# Altium PCB PPG_board.PcbDoc
Units mm, origin at the board's own origin, x right, y up, seen from the top; angles counter-clockwise.
Board outline 90.8 x 56 mm, 2 copper layers (Top Layer, Bottom Layer); 78 components, 61 nets, 318 pads, 210 vias.
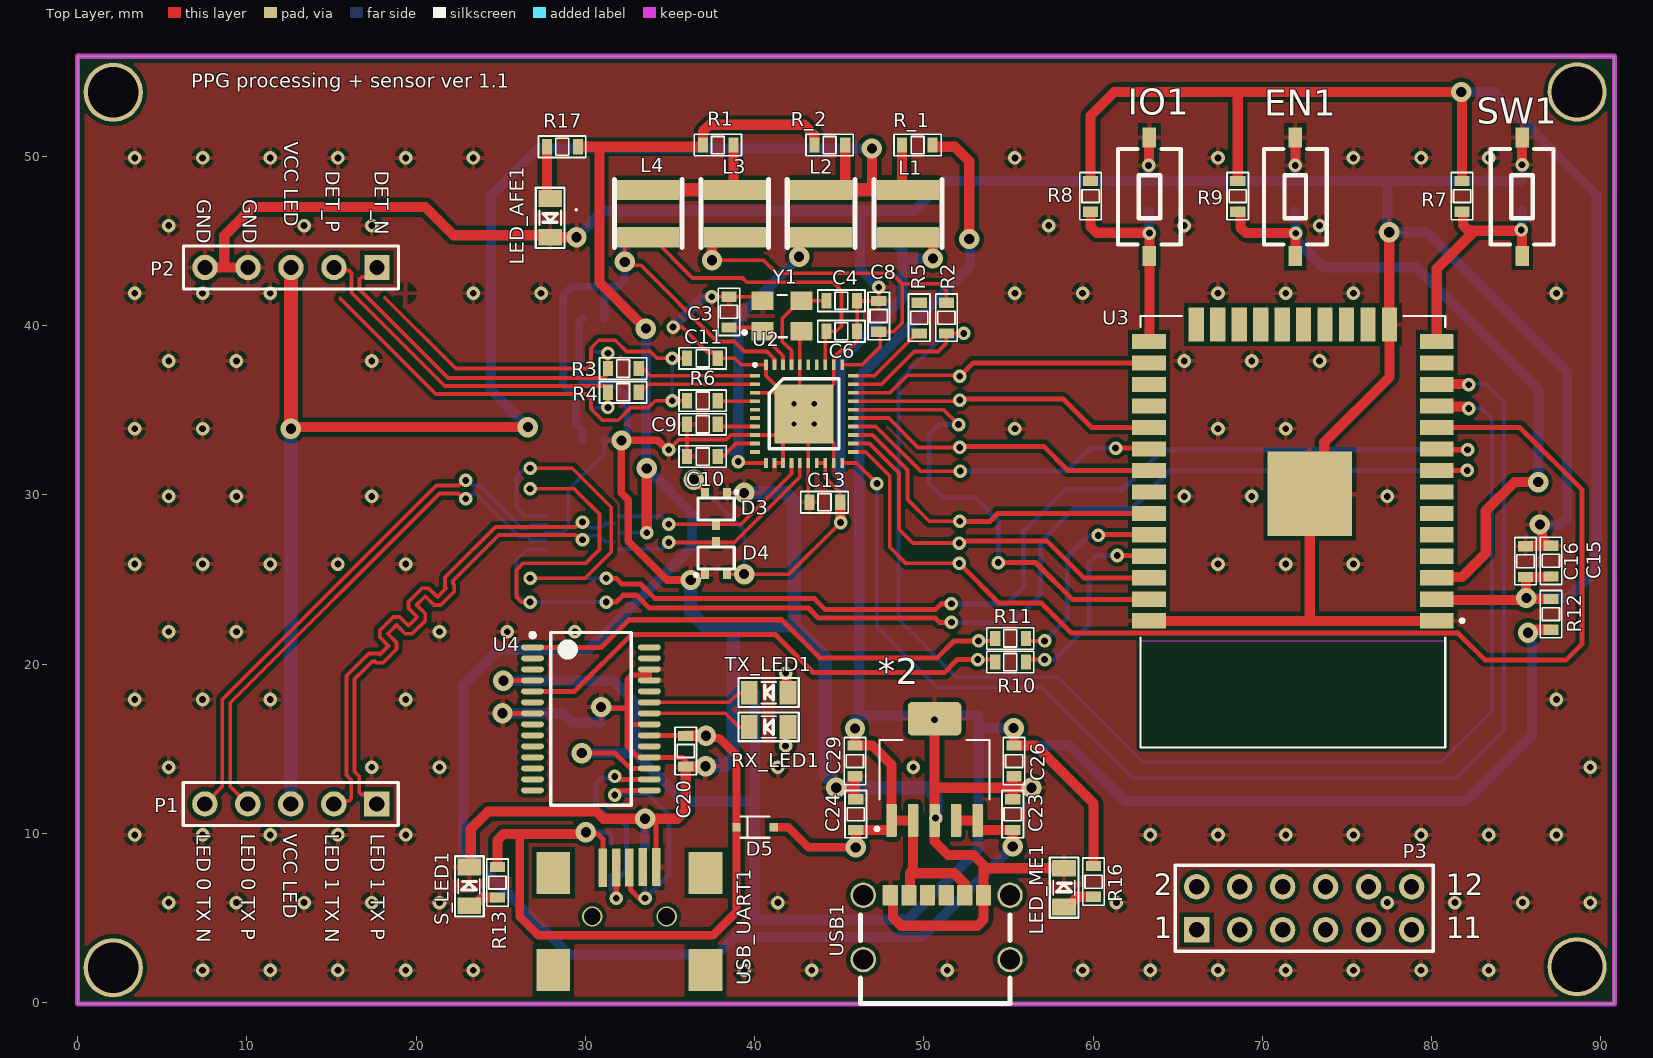
[diagram p0: Top Layer view]
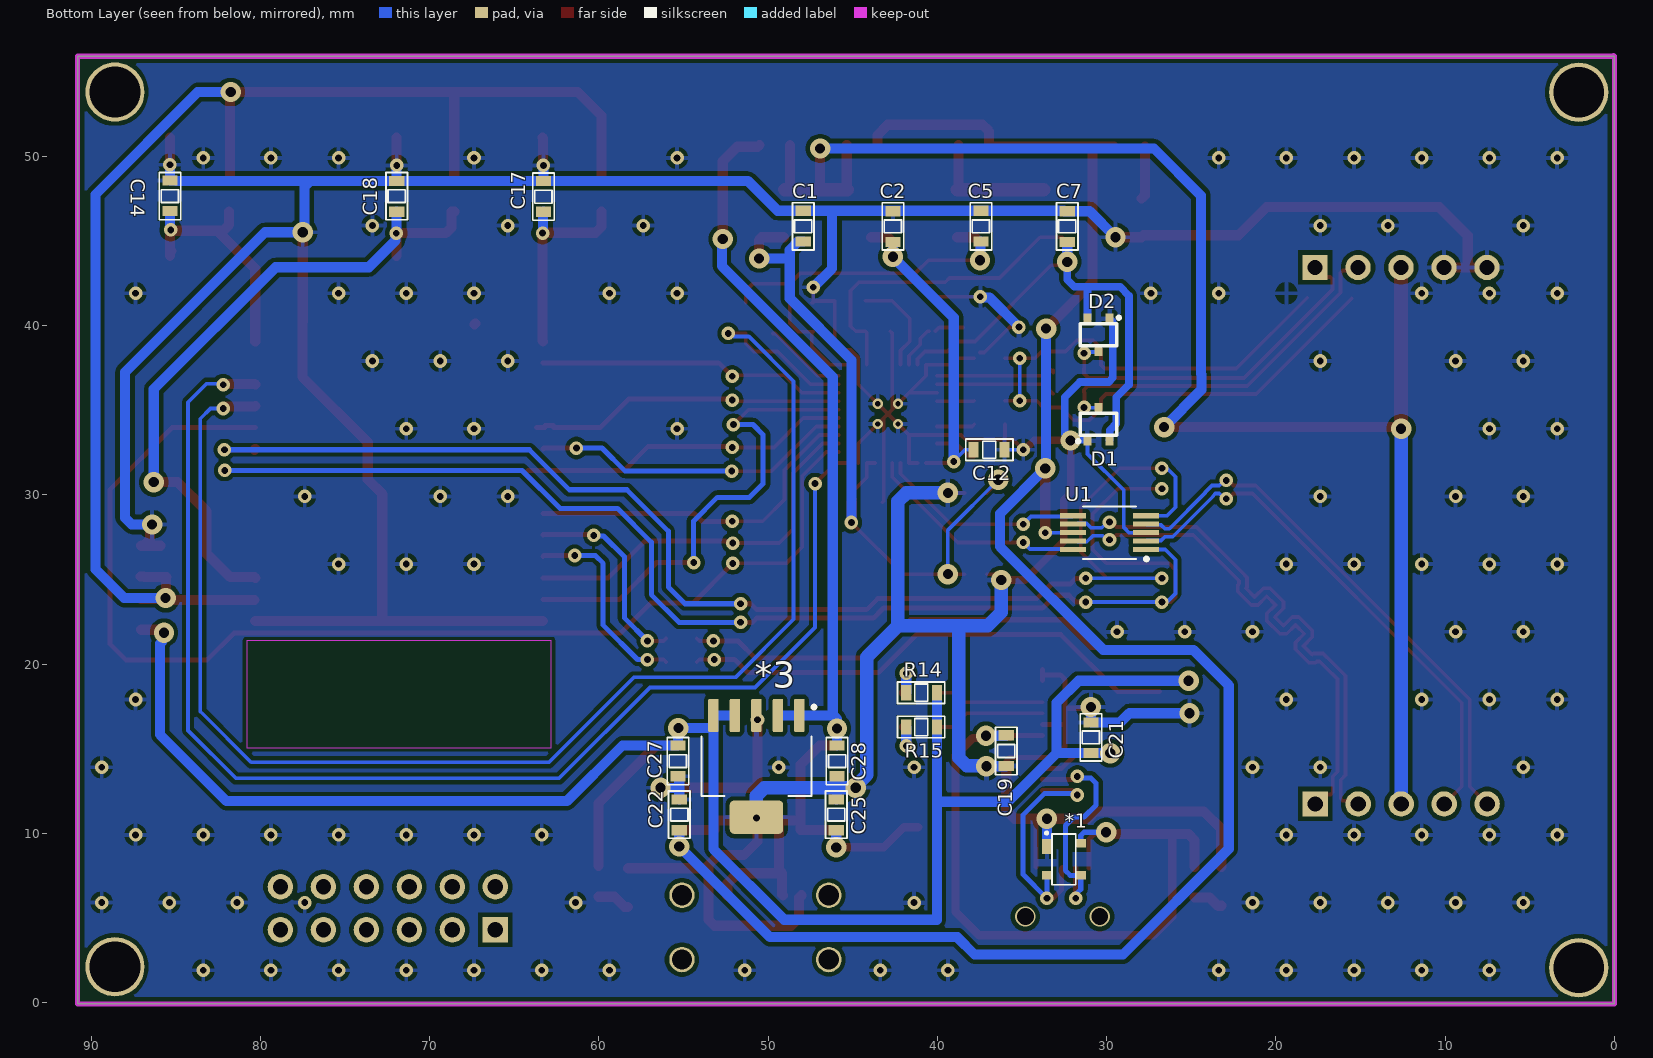
[diagram p1: Bottom Layer view, seen from below]
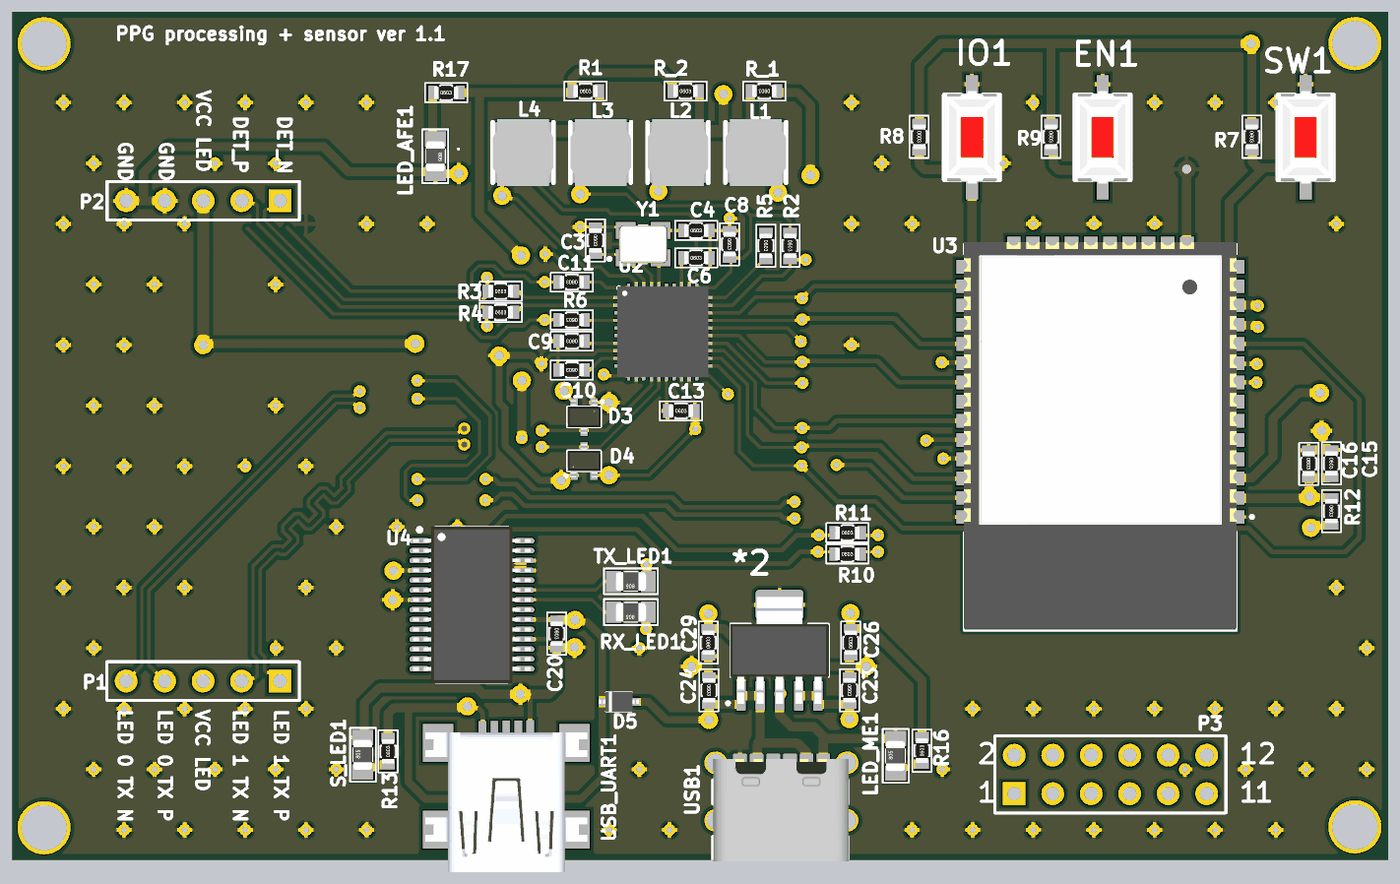
[diagram p2: 3D render of the assembled board from above, using the file's embedded part models]
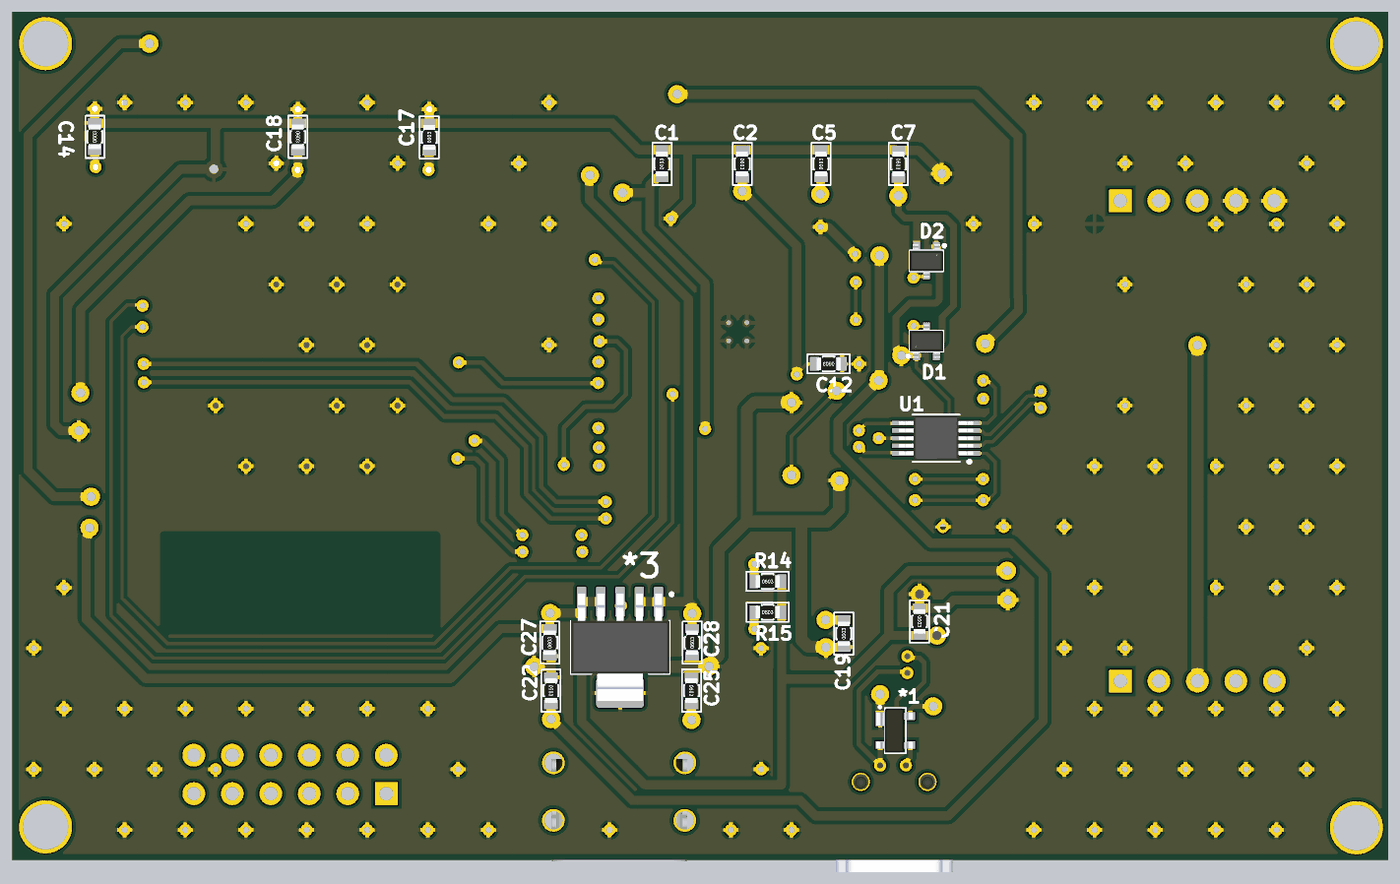
[diagram p3: 3D render of the assembled board from below, using the file's embedded part models]

## Layer stack, top to bottom
Top Solder: solder mask 0.0102, Solder Resist, Dk 3.5
Top Layer: signal copper 0.0356
Dielectric 1: dielectric 0.32, FR-4, Dk 4.8
Bottom Layer: signal copper 0.0356
Bottom Solder: solder mask 0.0102, Solder Resist, Dk 3.5

## Board outline
0,-0.084 0,55.914 90.8,55.914 90.8,-0.084

## Design rules (kind name [scope] priority, off if disabled: settings)
Clearance [All] p1: gap=0.127 ignorepadtopadclearanceinfootprint=FALSE except(0: Arc-Hole Track-Hole SMDPad-Hole THPad-Hole Via-Hole Fill-Hole Poly-Hole Region-Hole Text-Hole; 0.254: Arc-Fill Arc-Poly Arc-Region Track-Fill Track-Poly Track-Region SMDPad-Fill SMDPad-Poly SMDPad-Region THPad-Fill THPad-Poly THPad-Region Via-Fill Via-Poly Via-Region Fill-Fill Fill-Poly Fill-Region Poly-Poly Poly-Region Region-Region)
DiffPairsRouting [All] p1: maxlimit=0.254 minlimit=0.254 mostfreqgap=0.254 toplayer_minwidth=0.22 toplayer_maxwidth=0.381 toplayer_prefwidth=0.381 bottomlayer_minwidth=0.22 bottomlayer_maxwidth=0.381 bottomlayer_prefwidth=0.381 maxuncoupledlength=12.7
PolygonConnect [All] p1: connectstyle=Relief reliefconductorwidth=0.254 reliefentries=4 polygonreliefangle="90 Angle" airgapwidth=0.254
RoomDefinition "POWER SUPPY & COM" [InComponentClass('POWER SUPPY & COM')] p1: confinementstyle=ConfineIn formatcopy=TRUE lockcomponents=FALSE outline -56.52,-51.393 244.944,-51.393 244.944,98.107 -56.52,98.107
RoomDefinition ESP32&MCU [InComponentClass('ESP32&MCU')] p2: confinementstyle=ConfineIn formatcopy=TRUE lockcomponents=FALSE outline -68.52,-5.706 239.38,-5.706 239.38,72.807 -68.52,72.807
RoomDefinition "DRIVER LED & AFE" [InComponentClass('DRIVER LED & AFE')] p3: confinementstyle=ConfineIn formatcopy=TRUE lockcomponents=FALSE outline -73.72,-27.169 232.879,-27.169 232.879,84.007 -73.72,84.007
RoutingVias [All] p1: holewidth=0.4 width=0.8 viastyle="Through Hole" minholewidth=0.3 minwidth=0.6 maxholewidth=0.6 maxwidth=1.2
SolderMaskExpansion [All] p1: expansion=0.102 istentingtop=FALSE
Width [All] p1: maxlimit=0.8 minlimit=0.22 preferedwidth=0.6
29 further rules are at their usual default settings.

## Classes and differential pairs
net class "PPG board": 3.3V_AFE 3.3V_ME 5V_USB ADC_RDY ADC_RESET AFE_CLKOUT AFE_PDN D+ D- DET_N DET_P DIAG_END GND_BOARD IN1_CTRL IN2_CTRL LED_ALM LED_DRV_SUP LED_PORT_N LED_PORT_P MTCK MTDI MTDO MTMS NetC3_2 NetC4_1 NetC9_1 NetC10_1 NetC18_2 NetJ4_2 NetJ4_3 NetJ4_5 NetJ4_10 NetJ5_1 NetJ5_6 NetJ5_8 NetJ5_9 NetL3_1 NetLED_AFE1_1 NetLED_ME1_1 NetR3_2 NetR4_2 NetR5_2 NetR6_1 NetR13_1 NetR14_1 NetR15_1 NetRX_LED1_2 NetTX_LED1_2 NetU1_14 NetU1_15 NetU4_5 NetU4_6 NetU4_7 NetU4_8 NetU4_10 NetU4_11 NetU4_12 NetU4_13 NetU4_14 NetU4_15 NetU4_16 NetU4_17 NetU4_18 NetU4_20 NetU4_22 NetU4_25 NetU4_26 NetU4_27 NetU4_28 NetU4_29 NetU4_30 NetU4_31 NetU4_32 NetU4_33 NetU4_38 NetU4_44 NetU4_45 NetU4_47 NetU4_48 NetU7_9 NetU7_10 NetU7_11 NetU7_12 NetU7_13 NetU7_14 NetU7_15 NetU7_16 NetU7_17 NetU7_18 NetU8_5 NetU8_6 NetU8_7 PD_ALM RX_ANA_SUP RX_DIG_SUP RXD RXD_ESP SCLK_ESP SPI_MISO_AFE SPI_MOSI_AFE SPI_SS_AFE SW_BUTTON TX_CTRL_SUP TX_LED_0_N TX_LED_0_P TX_LED_1_N TX_LED_1_P TXD TXD_ESP V_LED VCC_ESP32 VCC_External VCM_SHIELD
component class "POWER SUPPY & COM": *1 *2 *3 C19 C20 C21 C22 C23 C24 C25 C26 C27 C28 C29 D5 LED_AFE1 LED_ME1 R13 R14 R15 R16 R17 RX_LED1 S_LED1 TX_LED1 U4 USB1 USB_UART1
component class ESP32&MCU: C14 C15 C16 C17 C18 EN1 IO1 P3 R7 R8 R9 R10 R11 R12 SW1 U3
component class "DRIVER LED & AFE": C1 C2 C3 C4 C5 C6 C7 C8 C9 C10 C11 C12 C13 D1 D2 D3 D4 L1 L2 L3 L4 P1 P2 R1 R2 R3 R4 R5 R6 R_1 R_2 U1 U2 Y1
differential pair DET: +DET_P -DET_N
differential pair TX_LED_1: +TX_LED_1_P -TX_LED_1_N
differential pair TX_LED_0: +TX_LED_0_P -TX_LED_0_N
differential pair LED_PORT: +LED_PORT_P -LED_PORT_N

## Components (designator, comment, footprint, x,y, rotation, side; value= is the part's Value field where it differs from the comment)
*1 "PRTR5V0U2AX" PRTR5V0U2AX 32.53,8.464 r270 bottom
*2 "TPS7A4533" SOT127P706X180-6N 50.63,13.764 r90 top
*3 "TPS7A4533" SOT127P706X180-6N 50.69,13.959 r270 bottom
C1 "Cap" RES-SMD-0603 47.93,45.863 r90 bottom value=10uF
C2 "Cap" RES-SMD-0603 42.63,45.863 r270 bottom value=10uF
C3 "Cap" RES-SMD-0603 38.48,40.814 r270 top value=18pF
C4 "Cap" RES-SMD-0603 45.13,41.464 r0 top value=18pF
C5 "Cap" RES-SMD-0603 37.43,45.863 r90 bottom value=10uF
C6 "Cap" RES-SMD-0603 45.13,39.664 r0 top value=0.1uF
C7 "Cap" RES-SMD-0603 32.33,45.863 r270 bottom value=10uF
C8 "Cap" RES-SMD-0603 47.33,40.564 r270 top value=0.1uF
C9 "Cap" RES-SMD-0603 36.93,34.164 r180 top value=2.2uF
C10 "Cap" RES-SMD-0603 36.93,32.264 r180 top value=2.2uF
C11 "Cap" RES-SMD-0603 36.93,38.064 r180 top value=10nF
C12 "Cap" RES-SMD-0603 36.93,32.664 r0 bottom value=0.1uF
C13 "Cap" RES-SMD-0603 44.13,29.564 r0 top value=1uF
C14 "Cap" RES-SMD-0603 85.35,47.65 r90 bottom value=0.1uF
C15 "Cap" RES-SMD-0603 87.05,26.1 r270 top value=10uF
C16 "Cap" RES-SMD-0603 85.55,26.077 r270 top value=0.1uF
C17 "Cap" RES-SMD-0603 63.28,47.614 r90 bottom value=0.1uF
C18 "Cap" RES-SMD-0603 71.95,47.65 r270 bottom value=0.1uF
C19 "Cap" RES-SMD-0603 35.93,14.864 r90 bottom value=0.1uF
C20 "Cap" RES-SMD-0603 35.93,14.864 r270 top value=10uF
C21 "Cap" RES-SMD-0603 30.93,15.664 r270 bottom value=0.1uF
C22 "Cap" RES-SMD-0603 55.248,11.104 r270 bottom value=10uF
C23 "Cap" RES-SMD-0603 55.248,11.127 r270 top value=0.1uF
C24 "Cap" RES-SMD-0603 45.977,11.127 r270 top value=10uF
C25 "Cap" RES-SMD-0603 45.977,11.104 r270 bottom value=0.1uF
C26 "Cap" RES-SMD-0603 55.33,14.264 r90 top value=10uF
C27 "Cap" RES-SMD-0603 55.33,14.264 r90 bottom value=0.1uF
C28 "Cap" RES-SMD-0603 45.93,14.264 r90 bottom value=10uF
C29 "Cap" RES-SMD-0603 45.93,14.264 r90 top value=0.1uF
D1 "BAV99W-7-F" SOT-323 30.48,34.164 r180 bottom
D2 "BAV99W-7-F" SOT-323 30.48,39.464 r0 bottom
D3 "BAV99W-7-F" SOT-323 37.73,29.164 r180 top
D4 "BAV99W-7-F" SOT-323 37.73,26.264 r0 top
D5 "BAT760" SOD323(F) 40.03,10.364 r180 top
EN1 "TS-1007S-AR02516" SW1_SMD 71.95,47.614 r270 top
IO1 "TS-1007S-AR02516" SW1_SMD 63.33,47.614 r270 top
L1 "NRS4018T100MDGJV" NRS4018 49.064,46.616 r270 top value=10uH
L2 "NRS4018T100MDGJV" NRS4018 43.93,46.616 r270 top value=10uH
L3 "NRS4018T100MDGJV" NRS4018 38.83,46.616 r270 top value=10uH
L4 "NRS4018T100MDGJV" NRS4018 33.711,46.616 r270 top value=10uH
LED_AFE1 "LED" RES-SMD-0805 27.93,46.364 r270 top value="LED 3 - 5 ly 2 Colour"
LED_ME1 "LED" RES-SMD-0805 58.28,6.793 r90 top value="LED 3 - 5 ly 2 Colour"
P1 "Header 5" HDR1X5 17.676,11.733 r180 top
P2 "Header 5" HDR1X5 17.686,43.433 r180 top
P3 "Header 6X2" HDR2X6 66.12,4.3 r0 top
R1 "Res1" RES-SMD-0603 37.83,50.664 r0 top value=0
R2 "Res1" RES-SMD-0603 51.33,40.464 r270 top value=10k
R3 "Res1" RES-SMD-0603 32.23,37.464 r0 top value=0
R4 "Res1" RES-SMD-0603 32.23,36.064 r0 top value=0
R5 "Res1" RES-SMD-0603 49.73,40.464 r270 top value=10
R6 "Res1" RES-SMD-0603 36.93,35.564 r180 top value=1k
R7 "Res1" RES-SMD-0603 81.8,47.65 r270 top value=10k
R8 "Res1" RES-SMD-0603 59.85,47.65 r270 top value=10k
R9 "Res1" RES-SMD-0603 68.55,47.65 r270 top value=10k
R10 "Res1" RES-SMD-0603 55.105,20.121 r0 top value=0
R11 "Res1" RES-SMD-0603 55.105,21.518 r0 top value=0
R12 "Res1" RES-SMD-0603 87.05,22.95 r270 top value=0
R13 "Res1" RES-SMD-0603 24.804,7.087 r90 top value=500
R14 "Res1" RES-SMD-0603 40.954,18.309 r180 bottom value=500
R15 "Res1" RES-SMD-0603 40.954,16.277 r180 bottom value=500
R16 "Res1" RES-SMD-0603 60.03,7.139 r90 top value=500
R17 "Res1" RES-SMD-0603 28.63,50.564 r0 top value=500
R_1 "Res1" RES-SMD-0603 49.63,50.664 r180 top value=0
R_2 "Res1" RES-SMD-0603 44.43,50.664 r0 top value=0
RX_LED1 "LED" RES-SMD-0805 40.827,16.277 r180 top value="LED 3 - 5 ly 2 Colour"
S_LED1 "LED" RES-SMD-0805 23.13,6.864 r90 top value="LED 3 - 5 ly 2 Colour"
SW1 "TS-1007S-AR02516" SW1_SMD 85.35,47.614 r270 top
TX_LED1 "LED" RES-SMD-0805 40.827,18.309 r180 top value="LED 3 - 5 ly 2 Colour"
U1 "ADG836" MSOP-10 29.83,27.764 r0 bottom
U2 "AFE4490" "VQFN (40)" 42.924,34.783 r0 top
U3 "ESP32-WROOM-32(8MB)" MODULE_ESP32-WROOM-32(8MB) 71.805,27.814 r180 top
U4 "FT232RL" TSSOP28 30.33,16.764 r0 top
USB1 "KH-TYPE-C-6P" USB-typeC-6pin 50.755,4.439 r0 top
USB_UART1 "A-USB B-M5-SMD-C" USB_B_MINI_SMD 31.03,7.964 r180 top
Y1 "ECS-80-12-33-JGN-TR" XTAL_ECS-240-8-33-AGN-TR 41.63,40.564 r0 top

## Footprints (in the part's own frame and the unit in brackets; to place one, negate y for a bottom-side part, rotate by r counter-clockwise, add the part's x,y. Pads: shape width x height; smd on the part's side, far side on the other; paste and mask are expansions set on the pad)
HDR1X5 [mm] "Connector; Header; 5 Position"
  rect 1.5x1.5 hole 0.9: 1(0,0)
  round 1.5 hole 0.9: 2(2.54,0) 3(5.08,0) 4(7.62,0) 5(10.16,0)
  silkscreen extent -1.27,-1.27 11.43,1.27
HDR2X6 [mm] "Connector; Header; 6x2 Position"
  rect 1.5x1.5 hole 0.9: 1(0,0)
  round 1.5 hole 0.9: 2(0,2.54) 3(2.54,0) 4(2.54,2.54) 5(5.08,0) 6(5.08,2.54) 7(7.62,0) 8(7.62,2.54) 9(10.16,0) 10(10.16,2.54) 11(12.7,0) 12(12.7,2.54)
  silkscreen extent -1.27,-1.27 13.97,3.81
MODULE_ESP32-WROOM-32(8MB) [mm]
  rect 2x0.9 smd: 1(-8.5,5.26) 2(-8.5,3.99) 3(-8.5,2.72) 4(-8.5,1.45) 5(-8.5,0.18) 6(-8.5,-1.09) 7(-8.5,-2.36) 8(-8.5,-3.63) 9(-8.5,-4.9) 10(-8.5,-6.17) 11(-8.5,-7.44) 12(-8.5,-8.71) 13(-8.5,-9.98) 14(-8.5,-11.25) 25(8.5,-11.25) 26(8.5,-9.98) 27(8.5,-8.71) 28(8.5,-7.44) 29(8.5,-6.17) 30(8.5,-4.9) 31(8.5,-3.63) 32(8.5,-2.36) 33(8.5,-1.09) 34(8.5,0.18) 35(8.5,1.45) 36(8.5,2.72) 37(8.5,3.99) 38(8.5,5.26)
  rect 0.9x2 smd: 15(-5.715,-12.25) 16(-4.445,-12.25) 17(-3.175,-12.25) 18(-1.905,-12.25) 19(-0.635,-12.25) 20(0.635,-12.25) 21(1.905,-12.25) 22(3.175,-12.25) 23(4.445,-12.25) 24(5.715,-12.25)
  rect 5x5 smd paste-3: 39(-1,-2.24)
  Keep-Out Layer region: 9,6.45 -9,6.45 -9,12.75 9,12.75
  Keep-Out Layer region: 9,6.45 -9,6.45 -9,12.75 9,12.75
  silkscreen extent -10.1,-12.75 9,12.75, body extent -9,-12.88 9,12.62, height 3.21
MSOP-10 [mm]
  rrect10% 1.55x0.3 smd mask+0.07: 1(-2.155,1) 2(-2.155,0.5) 3(-2.155,0) 4(-2.155,-0.5) 5(-2.155,-1) 6(2.155,-1) 7(2.155,-0.5) 8(2.155,0) 9(2.155,0.5) 10(2.155,1)
  silkscreen extent -2.28,-1.55 1.55,1.65, body extent -2.45,-1.5 2.45,1.5, height 0.96
NRS4018 [mm]
  rrect10% 1.2x3.7 smd mask+0.07: 1(-1.4,0) 2(1.4,0)
  silkscreen extent -2,-2 2,2, body extent -2.2,-2 2.2,2, height 1.81
PRTR5V0U2AX [mm]
  rect 0.9x0.6 smd: 1(-0.75,-1)
  rect 0.5x0.6 smd: 2(0.95,-1) 3(0.95,1) 4(-0.95,1)
  silkscreen extent -1.57,-1.04 1.5,0.7, body extent -1.46,-1.26 1.46,1.16, height 1
RES-SMD-0603 [mm]
  rect 0.6x0.9 smd: 1(-0.889,0) 2(0.927,0)
  silkscreen extent -1.4,-0.63 1.4,0.64, body extent -0.8,-0.4 0.8,0.4, height 0.43
RES-SMD-0805 [mm]
  rect 1x1.397 smd: 1(-1.143,0) 2(1.143,0)
  silkscreen extent -1.78,-0.86 1.78,0.84, body extent -1,-0.62 1,0.63, height 0.8
SOD323(F) [mm]
  rect 0.5x0.5 smd: 1(1.1,0) 2(-1.1,0)
  silkscreen extent -0.85,-0.63 0.85,0.63, body extent -1.34,-0.65 1.34,0.65, height 1.16
SOT127P706X180-6N [mm]
  rrect25% 1.97x0.62 smd: 1(-3.005,2.54) 2(-3.005,1.27) 3(-3.005,0) 4(-3.005,-1.27) 5(-3.005,-2.54)
  rrect25% 1.97x3.16 smd: 6(3.005,0)
  silkscreen extent -3.6,-3.25 1.75,3.5, body extent -3.54,-3.25 3.52,3.25, height 1.8
SOT-323 [mm]
  rrect10% 0.47x0.6 smd mask+0.07: 1(-0.65,-0.95) 2(0.65,-0.95) 3(0,0.95)
  silkscreen extent -1.26,-1.06 1.08,0.65, body extent -1.1,-1.1 1.1,1.1, height 1
SW1_SMD [mm]
  rect 1.2x0.8 smd: 1(-3.5,0) 2(3.5,0)
  silkscreen extent -2.82,-1.85 2.82,1.85, body extent -3.05,-1.85 3.05,1.85, height 2.5
TSSOP28 [mm] "TSSOP, 28-Leads, Body 10.20x5.30mm, Pitch 0.65mm, IPC High Density"
  oval 1.35x0.35 smd: 1(-3.45,4.225) 2(-3.45,3.575) 3(-3.45,2.925) 4(-3.45,2.275) 5(-3.45,1.625) 6(-3.45,0.975) 7(-3.45,0.325) 8(-3.45,-0.325) 9(-3.45,-0.975) 10(-3.45,-1.625) 11(-3.45,-2.275) 12(-3.45,-2.925) 13(-3.45,-3.575) 14(-3.45,-4.225) 15(3.45,-4.225) 16(3.45,-3.575) 17(3.45,-2.925) 18(3.45,-2.275) 19(3.45,-1.625) 20(3.45,-0.975) 21(3.45,-0.325) 22(3.45,0.325) 23(3.45,0.975) 24(3.45,1.625) 25(3.45,2.275) 26(3.45,2.925) 27(3.45,3.575) 28(3.45,4.225)
  silkscreen extent -3.57,-5.1 2.38,5.1, body extent -3.88,-5.16 3.88,5.17, height 2.15
USB-typeC-6pin [mm]
  round 1.5 hole 1.2 mask+0.07: 0(-4.336,-1.9) 0(-4.336,1.9) 0(4.336,-1.9) 0(4.336,1.9) 0(4.336,1.9)
  rrect10% 0.9x1.2 smd mask+0.07: 1(-2.734,1.9) 2(-1.634,1.9) 3(-0.534,1.9) 4(0.566,1.9) 5(1.666,1.9) 6(2.766,1.9)
  silkscreen extent -4.49,-4.5 4.34,0.72, body extent -4.49,-4.65 4.45,2.15, height 3.42
USB_B_MINI_SMD [mm]
  rect 2x2.5 smd: 0(-6.075,0.305) 0(-6.071,6.045) 0(2.925,0.305) 0(2.929,6.045)
  rect 0.5x2.25 smd: 1(0,0) 2(-0.787,-0.013) 3(-1.575,-0.025) 4(-2.362,-0.038) 5(-3.15,-0.051)
  body extent -6.92,-0.37 3.78,8.83, height 3.95
"VQFN (40)" [mm]
  rrect5% 0.6x0.22 smd mask+0.07: 1(-2.9,2.25) 2(-2.9,1.75) 3(-2.9,1.25) 4(-2.9,0.75) 5(-2.9,0.25) 6(-2.9,-0.25) 7(-2.9,-0.75) 8(-2.9,-1.25) 9(-2.9,-1.75) 10(-2.9,-2.25) 21(2.9,-2.25) 22(2.9,-1.75) 23(2.9,-1.25) 24(2.9,-0.75) 25(2.9,-0.25) 26(2.9,0.25) 27(2.9,0.75) 28(2.9,1.25) 29(2.9,1.75) 30(2.9,2.25)
  rrect5% 0.22x0.6 smd mask+0.07: 11(-2.25,-2.9) 12(-1.75,-2.9) 13(-1.25,-2.9) 14(-0.75,-2.9) 15(-0.25,-2.9) 16(0.25,-2.9) 17(0.75,-2.9) 18(1.25,-2.9) 19(1.75,-2.9) 20(2.25,-2.9) 31(2.25,2.9) 32(1.75,2.9) 33(1.25,2.9) 34(0.75,2.9) 35(0.25,2.9) 36(-0.25,2.9) 37(-0.75,2.9) 38(-1.25,2.9) 39(-1.75,2.9) 40(-2.25,2.9)
  rrect5% 3.5x3.5 smd mask+0.07: 41(0,0)
  silkscreen extent -2.95,-2.06 2.06,2.95, body extent -3,-3 3,3, height 1.01
XTAL_ECS-240-8-33-AGN-TR [mm]
  rect 1.3x1.1 smd: 1(-1.15,-0.9) 2(1.15,-0.9) 3(1.15,0.9) 4(-1.15,0.9)
  silkscreen extent -2.32,-1.25 0.27,1.25, body extent -1.6,-1.25 1.6,1.25, height 0.81
